# Altium PCB Fri3D_2020_00.PcbDoc (part 1 of 2)
Units mm, origin at the board's own origin, x right, y up, seen from the top; angles counter-clockwise.
Board outline 86 x 86 mm, 2 copper layers (Top Layer, Bottom Layer), stack 1.571 mm thick; 115 components, 82 nets, 498 pads, 254 vias.
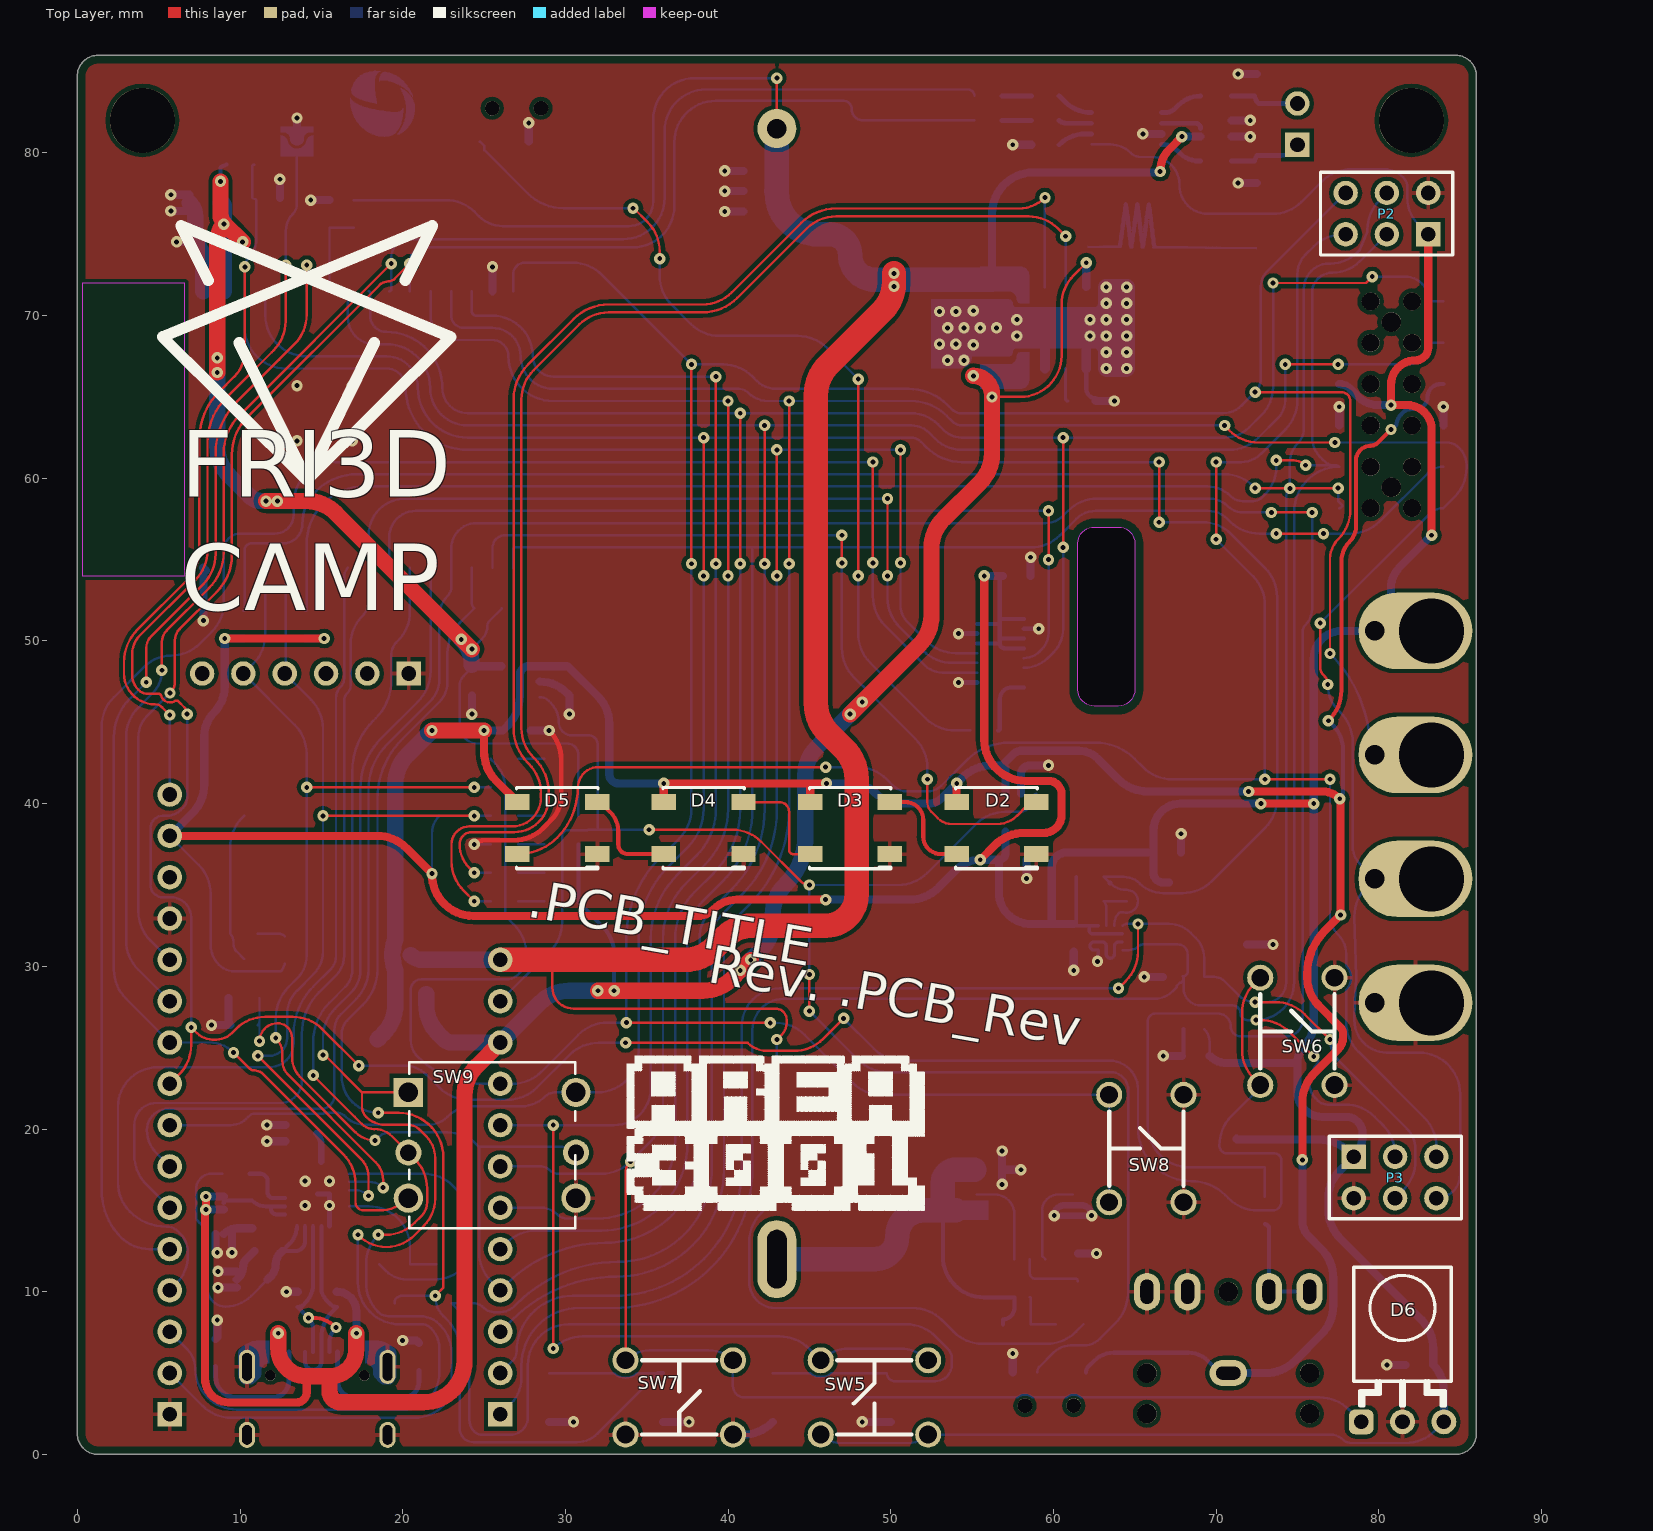
[diagram p0: Top Layer view]
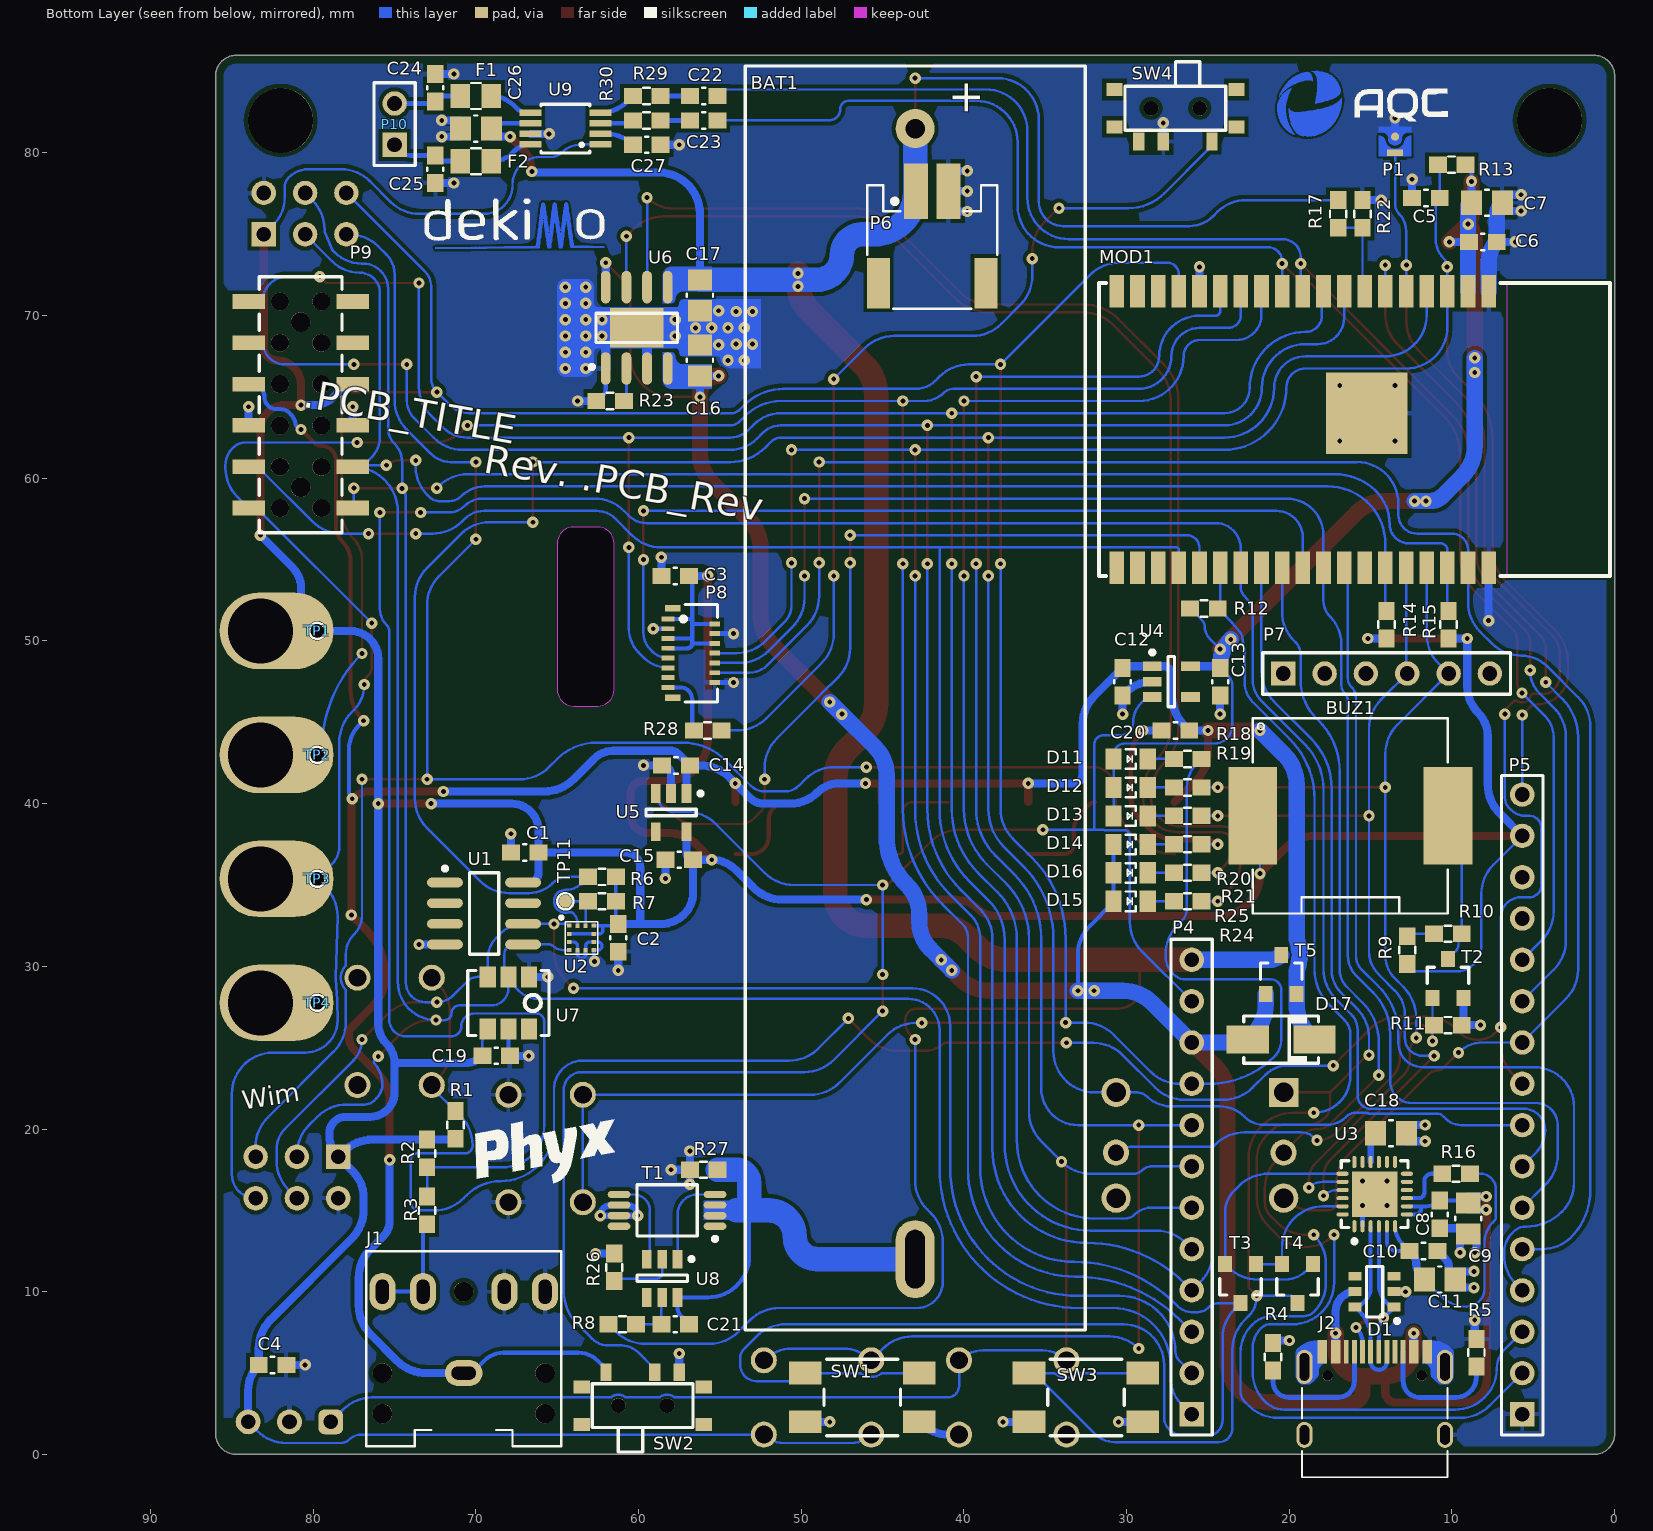
[diagram p1: Bottom Layer view, seen from below]

## Layer stack, top to bottom
Top Solder: solder mask 0.0102, Solder Resist, Dk 3.5
Top Layer: signal copper 0.0356
Dielectric1: core 1.5, FR-4, Dk 4.8
Bottom Layer: signal copper 0.0356
Bottom Solder: solder mask 0.0102, Solder Resist, Dk 3.5

## Board outline
0,1.27 0,84.73 cw(c1.27,84.73) 1.27,86 84.73,86 cw(c84.73,84.73) 86,84.73 86,1.27 cw(c84.73,1.27) 84.73,0 1.27,0 cw(c1.27,1.27)
cut-out: 64,57 cw(c64,56) 65,56 65,47 cw(c64,47) 64,46 62.5,46 cw(c62.5,47) 61.5,47 61.5,56 cw(c62.5,56) 62.5,57

## Design rules (kind name [scope] priority, off if disabled: settings)
BoardOutlineClearance [NOT OnLayer('Top Overlay') AND NOT OnLayer('Bottom Overlay') AND NOT IsText AND NOT WithinRoom('Fri3d_2020_Time_Blaster_00')] p1: gap=0.5 ignorepadtopadclearanceinfootprint=FALSE except(0: Arc-SplitContinuation Track-SplitContinuation SMDPad-SplitContinuation THPad-SplitContinuation Via-SplitContinuation Fill-SplitContinuation Poly-SplitContinuation Region-SplitContinuation Text-SplitContinuation; 0.3: SMDPad-OutlineEdge; 0.4: THPad-OutlineEdge)
Clearance [All] p1: gap=0.15 ignorepadtopadclearanceinfootprint=FALSE except(0: Arc-Hole Track-Hole SMDPad-Hole THPad-Hole Via-Hole Fill-Hole Poly-Hole Region-Hole Text-Hole; 0.25: Arc-Poly Track-Poly SMDPad-Poly THPad-Poly Via-Poly Fill-Poly; 1.1: Poly-Poly)
ComponentClearance ComponentClearance_TP [HasFootprint('TP_2x3mm')] p1: gap=0 collisioncheckmode=3 verticalgap=0 showdistances=FALSE
ComponentClearance [All] p2: gap=0.25 collisioncheckmode=3 verticalgap=0.25 showdistances=FALSE
DiffPairsRouting [All] p1: maxlimit=0.254 minlimit=0.2 mostfreqgap=0.2 toplayer_minwidth=0.25 toplayer_maxwidth=0.5 toplayer_prefwidth=0.25 bottomlayer_minwidth=0.25 bottomlayer_maxwidth=0.5 bottomlayer_prefwidth=0.25 maxuncoupledlength=12.7
HoleSize [All] p1: absolutevalues=TRUE maxlimit=10 minlimit=0.025 maxpercent=80.000 minpercent=20.000
PolygonConnect PolygonConnect_VIA [IsVia] p1: connectstyle=Direct reliefconductorwidth=0.254 reliefentries=4 polygonreliefangle="90 Angle" airgapwidth=0.254
PolygonConnect [All] p2: connectstyle=Relief reliefconductorwidth=0.254 reliefentries=4 polygonreliefangle="90 Angle" airgapwidth=0.254
RoutingVias [All] p1: holewidth=0.3 width=0.7 viastyle="Through Hole" minholewidth=0.3 minwidth=0.2 maxholewidth=0.6 maxwidth=1.2
SilkToSolderMaskClearance SilkscreenOverComponentPads [IsPad] p1: minsilkscreentomaskgap=0.254 clearancetoexposedcopper=TRUE
SolderMaskExpansion [All] p1: expansion=0.05 istentingtop=FALSE
Width [All] p1: maxlimit=5 minlimit=0.15 preferedwidth=0.25
26 further rules are at their usual default settings.

## Classes and differential pairs
net class ESP.IO[0..39]: ESP.IO0 ESP.IO1 ESP.IO2 ESP.IO3 ESP.IO4 ESP.IO5 ESP.IO6 ESP.IO7 ESP.IO8 ESP.IO9 ESP.IO10 ESP.IO11 ESP.IO12 ESP.IO13 ESP.IO14 ESP.IO15 ESP.IO16 ESP.IO17 ESP.IO18 ESP.IO19 ESP.IO20 ESP.IO21 ESP.IO22 ESP.IO23 ESP.IO24 ESP.IO25 ESP.IO26 ESP.IO27 ESP.IO28 ESP.IO29 ESP.IO30 ESP.IO31 ESP.IO32 ESP.IO33 ESP.IO34 ESP.IO35 ESP.IO36 ESP.IO37 ESP.IO38 ESP.IO39
net class 90r: USB.D_n USB.D_p
component class Power: BAT1 C12 C13 C14 C15 C16 C17 C21 D15 D16 D17 P6 R8 R23 R24 R25 R26 R27 SW2 T1 T5 U4 U5 U6 U8
component class Peripherals: BUZ1 C1 C2 C3 C4 C19 C20 C22 C23 C24 C25 C26 C27 D2 D3 D4 D5 D6 F1 F2 P8 P10 R6 R7 R9 R10 R11 R28 R29 R30 SW4 SW5 SW6 SW7 SW8 SW9 T2 TP11 U1 U2 U7 U9
component class Fri3D_2020_00: D1 J1 J2 P1 P2 P3 P4 P5 P9 R1 R2 R3 R4 R5 TP1 TP2 TP3 TP4
component class ESP32: C5 C6 C7 C8 C9 C10 C11 C18 D11 D12 D13 D14 MOD1 P7 R12 R13 R14 R15 R16 R17 R18 R19 R20 R21 R22 SW1 SW3 T3 T4 U3
net class POWER: 3V3_AUX 3V3_ESP 3V3_USB GBAT GND VBAT VSYS VUSB
differential pair USB.D: +USB.D_p -USB.D_n

## Components (designator, comment, footprint, x,y, rotation, side; value= is the part's Value field where it differs from the comment)
BAT1 "18650 Battery holder with spring" BAT_18650_SPRING 43,46.5 r90 bottom value=18650_SPRING
BUZ1 "12x12x3mm Piezo Buzzer Transducer 81dB" CUI_CMT-1203-SMT 16.25,39.25 r180 bottom value=CMT-1203-SMT
C1 "" C0603_N 67,37 r0 bottom value="100nF 16V"
C2 "" C0603_N 61.25,31.75 r270 bottom value="100nF 16V"
C3 "" C0603_N 57.75,54 r0 bottom value="100nF 16V"
C4 "" C0603_N 82.5,5.5 r180 bottom value="100nF 16V"
C5 "" C0603_N 11.6,77.229 r0 bottom value="100nF 16V"
C6 "" C0603_N 8.1,74.531 r180 bottom value="100nF 16V"
C7 "CAP_CERAMIC" C0805_N 7.85,76.931 r180 bottom value="10uF 10V"
C8 "" C0603_N 10.75,14.75 r270 bottom value="100nF 16V"
C9 "CAP_CERAMIC" C0805_N 9,14.5 r90 bottom value="10uF 10V"
C10 "" C0603_N 11.75,12.5 r180 bottom value="100nF 16V"
C11 "CAP_CERAMIC" C0805_N 10.75,10.75 r0 bottom value="10uF 10V"
C12 "CAP_CERAMIC" C0603_N 30.25,47.5 r270 bottom value="1uF 16V"
C13 "CAP_CERAMIC" C0603_N 24.25,47.5 r270 bottom value="1uF 16V"
C14 "CAP_CERAMIC" C0603_N 57.7,42.35 r0 bottom value="1uF 16V"
C15 "CAP_CERAMIC" C0603_N 57.5,36.55 r0 bottom value="1uF 16V"
C16 "CAP_CERAMIC" C0805_N 56.227,67.249 r90 bottom value="10uF 10V"
C17 "CAP_CERAMIC" C0805_N 56.227,71.249 r270 bottom value="10uF 10V"
C18 "CAP_CERAMIC" C0805_N 13.75,19.75 r0 bottom value="10uF 10V"
C19 "" C0603_N 68.75,24.5 r180 bottom value="100nF 16V"
C20 "CAP_CERAMIC" C0603_N 27,44.5 r0 bottom value="1uF 16V"
C21 "" C0603_N 57.75,8 r180 bottom value="100nF 16V"
C22 "CAP_CERAMIC" C0603_N 56,83.5 r180 bottom value="100nF 50V"
C23 "CAP_CERAMIC" C0603_N 56,82 r180 bottom value="100nF 50V"
C24 "CAP_CERAMIC" C0603_N 72.5,84 r90 bottom value="1nF 16V"
C25 "CAP_CERAMIC" C0603_N 72.5,79 r270 bottom value="1nF 16V"
C26 "CAP_CERAMIC" C0805_N 70,81.5 r0 bottom value="10uF 10V"
C27 "CAP_CERAMIC" C0603_N 59.5,80.5 r180 bottom value="1uF 50V"
D1 "TVS Diode Dual USB" NXP_SOT457 14.75,10 r0 bottom value=IP4220CZ6
D2 "WS2812 based digital RGB LED 5050 Black package" LED_5050_WS2812B_BLACK 56.5,38.5 r0 top value="WS218B 5050 BL"
D3 "WS2812 based digital RGB LED 5050 Black package" LED_5050_WS2812B_BLACK 47.5,38.5 r0 top value="WS218B 5050 BL"
D4 "WS2812 based digital RGB LED 5050 Black package" LED_5050_WS2812B_BLACK 38.5,38.5 r0 top value="WS218B 5050 BL"
D5 "WS2812 based digital RGB LED 5050 Black package" LED_5050_WS2812B_BLACK 29.5,38.5 r0 top value="WS218B 5050 BL"
D6 "IRM-3638N3F14 Infrared Receiver 38 kHz 45° 2.7-5.5V" VIS_TSOP381x_BENT 81.46,2 r0 top value=IRM-3638N3F14
D11 "Default 0805 Red LED" LED_0805_RD 29.75,42.75 r180 bottom
D12 "Default 0805 Red LED" LED_0805_RD 29.75,41 r180 bottom
D13 "Default 0805 Green LED" LED_0805_GR 29.75,39.25 r180 bottom
D14 "Default 0805 Blue LED" LED_0805_BL 29.75,37.5 r180 bottom
D15 "Default 0805 Green LED" LED_0805_GR 29.75,34 r180 bottom
D16 "Default 0805 Red LED" LED_0805_RD 29.75,35.75 r180 bottom
D17 "MBRA210LT3G" SMA_AC 20.5,25.5 r180 bottom
F1 "FERRITE" L0805 70,83.5 r0 bottom value="2A 0R1"
F2 "FERRITE" L0805 70,79.5 r0 bottom value="2A 0R1"
J1 "3.5mm jack, dual switch, black, 3 contacts" CUI_SJ1-3525NG 70.75,10 r90 bottom value=SJ1-3525NG
J2 "USB 2.0 C Reversible Receptacle Horizontal" HRO_TYPE-C-31-M-12 14.75,3.75 r180 bottom value=TYPE-C-31-M-12
MOD1 "ESP-32 based ESP-WROVER-32" ESP-WROVER-32 16,63 r270 bottom value=ESP-WROVER-32
P1 "Easy to solder connection" SOLDER_SW_V_1MM 13.5,81 r180 bottom value="NO BOM"
P2 "Receptacle 3x2" RCPT2X3 83.04,77.54 r180 top
P3 "Receptacle 3x2" RCPT2X3 78.46,15.75 r0 top
P4 "Header 12" HDR1X12 26,2.46 r90 bottom
P5 "Header 16" HDR1X16 5.68,2.46 r90 bottom
P6 "Header 2.0mm Shrouded 2" WE_620102131822 42.95,77.65 r180 bottom value=620102131822
P7 "Header 6" HDR1X6 20.37,48 r180 bottom
P8 "Bottom contact FPC 0.3mm pitch 15 contacts" FPC_AFE03-S15FMA-1H 56.75,49.25 r270 bottom value=AFE03-S15FMA-1H
P9 "Receptacle 6x2 SMD low profile" WE_610312243021_POST 80.77,64.52 r90 bottom value=610312243021
P10 "Header 2" HDR1X2 75,80.5 r90 bottom
R1 "RESISTOR" R0603_N 71.25,20.25 r90 bottom value=5K1
R2 "RESISTOR" R0603_N 73,18.5 r270 bottom value=5K1
R3 "RESISTOR" R0603_N 73,15 r270 bottom value=1K2
R4 "RESISTOR" R0603_N 21,6 r90 bottom value=5K1
R5 "RESISTOR" R0603_N 8.5,6.25 r90 bottom value=5K1
R6 "RESISTOR" R0603_N 62.25,35.5 r0 bottom value=5K1
R7 "RESISTOR" R0603_N 62.25,34 r0 bottom value=5K1
R8 "RESISTOR" R0603_N 61,8 r180 bottom value=100R
R9 "RESISTOR" R0603_N 12.75,31 r90 bottom value=100R
R10 "RESISTOR" R0603_N 10.25,32 r0 bottom value=100R
R11 "RESISTOR" R0603_N 10.25,26.385 r180 bottom value=5K1
R12 "RESISTOR" R0603_N 25.25,52 r180 bottom value=5K1
R13 "RESISTOR" R0603_N 10.02,79.281 r0 bottom value=5K1
R14 "RESISTOR" R0603_N 14.02,51 r90 bottom value=5K1
R15 "RESISTOR" R0603_N 10.21,51 r90 bottom value=5K1
R16 "RESISTOR" R0603_N 9.75,17.25 r0 bottom value=1K2
R17 "RESISTOR" R0603_N 17,76.25 r270 bottom value=100K
R18 "RESISTOR" R0603_N 26.25,42.75 r180 bottom value=1K2
R19 "RESISTOR" R0603_N 26.25,41 r180 bottom value=1K2
R20 "RESISTOR" R0603_N 26.25,39.25 r180 bottom value=1K2
R21 "RESISTOR" R0603_N 26.25,37.5 r180 bottom value=1K2
R22 "RESISTOR" R0603_N 15.5,76.25 r90 bottom value=100K
R23 "RESISTOR" R0603_N 61.75,64.75 r0 bottom value=1K2
R24 "RESISTOR" R0603_N 26.25,34 r180 bottom value=1K2
R25 "RESISTOR" R0603_N 26.25,35.75 r180 bottom value=1K2
R26 "RESISTOR" R0603_N 61.5,11.5 r90 bottom value=1K2
R27 "" R0603_N 56,17.5 r0 bottom value=0R
R28 "RESISTOR" R0603_N 55.75,44.5 r180 bottom value=100R
R29 "RESISTOR" R0603_N 59.5,83.5 r0 bottom value=10K
R30 "RESISTOR" R0603_N 59.5,82 r0 bottom value=10K
SW1 "SW_TACT" WE_430181038816 46.25,3.5 r180 bottom
SW2 "SW_1P2T" WE_450404015514 59.75,3 r0 bottom
SW3 "SW_TACT" WE_430181038816 32.5,3.5 r180 bottom
SW4 "SW_1P2T" WE_450404015514 27,82.75 r180 bottom
SW5 "Default TH TACT" TACTSW 49,3.5 r90 top
SW6 "Default TH TACT" TACTSW 75,26 r0 top
SW7 "Default TH TACT" TACTSW 37,3.5 r270 top
SW8 "Default TH TACT" TACTSW 65.714,18.802 r0 top
SW9 "5Way Tact switch" TACTSW_5W_K1-1506DN-01 25.5,19 r0 top value=K1-1506DN-01
T1 "Dual N-Ch MOSFET Common Drain" TSSOP_8_65P 58.25,15 r0 bottom value=FS8205A
T2 "0.2A N-Ch MOSFET Vgs 3.2" SOT23-3 10.25,29.25 r180 bottom value=BSS138
T3 "0.2A N-Ch MOSFET Vgs 3.2" SOT23-3 23,10.5 r0 bottom value=BSS138
T4 "0.2A N-Ch MOSFET Vgs 3.2" SOT23-3 19.5,10.5 r0 bottom value=BSS138
T5 "SL2302" SOT23-3 20.5,29.5 r180 bottom
TP1 "TEST_PAD" TP_0.8mm 79.75,50.62 r90 bottom value="NO BOM"
TP2 "TEST_PAD" TP_0.8mm 79.75,43 r90 bottom value="NO BOM"
TP3 "TEST_PAD" TP_0.8mm 79.75,35.38 r90 bottom value="NO BOM"
TP4 "TEST_PAD" TP_0.8mm 79.75,27.76 r90 bottom value="NO BOM"
TP11 "TEST_PAD" TP_0.8mm 64.5,34 r90 bottom value="NO BOM"
U1 "Encryption Authentication with 72b SN, SHA-256, AES-128" SOIC_N_8 69.5,33.25 r180 bottom value=ATECC608A-SSHDA-T
U2 "LIS2DH12" STM_LGA12_2x2 63.5,31.75 r180 bottom
U3 "USB to UART 3.3-5V" QFN_24 14.75,16 r90 bottom value=CP2102N-A01-GQFN24
U4 "3V3 LDO 700mA 50mV" SOT23-5 27.25,47.5 r180 bottom value=XC6210B332MR
U5 "3V3 LDO 700mA 50mV" SOT23-5 58,39.45 r270 bottom value=XC6210B332MR
U6 "Single Cell LiIon charger max 1A" SOIC_N_8_TH 60.115,69.25 r90 bottom value=TP4056
U7 "=Comment" AHT10 68,27.75 r270 bottom
U8 "DW01-P single cell lithium protection" SOT23-6 58.55,10.825 r270 bottom value=DW01-P
U9 "5W Class D mono amplifier inducter-less Differential input MSOP8" MAX_uSOP8 64.5,81.5 r0 bottom value=NS4150B

## Footprints (in the part's own frame and the unit in brackets; to place one, negate y for a bottom-side part, rotate by r counter-clockwise, add the part's x,y. Pads: shape width x height; smd on the part's side, far side on the other; paste and mask are expansions set on the pad)
AHT10 [mm] "AHT10"
  rect 1.27x1 smd: 1(-1.6,1.27) 2(-1.6,0) 3(-1.6,-1.27) 4(1.6,-1.27) 5(1.6,0) 6(1.6,1.27)
  silkscreen extent -2,-2.5 2,2.5, body extent -2,-2.5 2,2.5, height 1.6
BAT_18650_SPRING [mm] "Battery holder for a single 18650 cell with spring"
  round 2.4 hole 1.2: 1(35,0)
  oval 4.8x2.4 hole 1.2 slot 3.6 at 0 deg: 2(-34.5,0)
  silkscreen extent -38.85,-10.45 38.85,10.45, body extent -39.01,-10.4 38.64,10.4, height 21.65
C0603_N [mm] "Low density"
  rect 1.1x1 smd: 1(-0.85,0) 2(0.85,0)
  silkscreen extent -0.1,-0.5 0.1,0.5, body extent -0.8,-0.4 0.8,0.4, height 0.3
C0805_N [mm] "Low density"
  rect 1.3x1.5 smd: 1(-0.95,0) 2(0.95,0)
  silkscreen extent -0.1,-0.8 0.1,0.8, body extent -1,-0.62 1,0.63, height 0.78
CUI_CMT-1203-SMT [mm] "12x12x3mm piezo buzzer"
  rect 3x6 smd: 1(-6,0) 2(6,0)
  silkscreen extent -6,-6 6,6, body extent -6,-6 6,6, height 3.05
CUI_SJ1-3525NG [mm] "CUI SJ1-3525NG Audio Jack 3.5mm"
  round 1.2 hole 1.2 unplated: 0(-7.5,-5) 0(-7.5,5) 0(-5,-5) 0(-5,5) 0(0,0)
  oval 1.6x2.3 hole 0.8 slot 1.5 at 90 deg: 1(-5,0)
  oval 2.3x1.6 hole 0.8 slot 1.5 at 0 deg: 2(0,-5) 3(0,5) 4(0,-2.5) 5(0,2.5)
  silkscreen extent -9.5,-6 2.5,6, body extent -11.55,-6 2.5,6, height 5.54
ESP-WROVER-32 [mm] "ESP-WROVER-32 Module"
  rect 2x0.9 smd: 1(-8.5,8.258) 2(-8.5,6.988) 3(-8.5,5.718) 4(-8.5,4.448) 5(-8.5,3.178) 6(-8.5,1.908) 7(-8.5,0.638) 8(-8.5,-0.632) 9(-8.5,-1.902) 10(-8.5,-3.172) 11(-8.5,-4.442) 12(-8.5,-5.712) 13(-8.5,-6.982) 14(-8.5,-8.252) 15(-8.5,-9.522) 16(-8.5,-10.79) 17(-8.5,-12.06) 18(-8.5,-13.33) 19(-8.5,-14.6) 20(8.5,-14.6) 21(8.5,-13.33) 22(8.5,-12.06) 23(8.5,-10.79) 24(8.5,-9.522) 25(8.5,-8.252) 26(8.5,-6.982) 27(8.5,-5.712) 28(8.5,-4.442) 29(8.5,-3.172) 30(8.5,-1.902) 31(8.5,-0.632) 32(8.5,0.638) 33(8.5,1.908) 34(8.5,3.178) 35(8.5,4.448) 36(8.5,5.718) 37(8.5,6.988) 38(8.5,8.258)
  rect 5x5 smd paste-10: 39(-1,0.76)
  Keep-Out Layer region: -9,15.7 9,15.7 9,9.4 -9,9.4
  silkscreen extent -9,-15.7 9,15.7, body extent -9,-15.7 9,15.7, height 3.6
FPC_AFE03-S15FMA-1H [mm]
  rect 0.3x0.8 smd: 1(-2.1,-1.437) 3(-1.5,-1.437) 5(-0.9,-1.437) 7(-0.3,-1.437) 9(0.3,-1.437) 11(0.9,-1.437) 13(1.5,-1.437) 15(2.1,-1.437)
  rect 0.3x0.65 smd: 2(-1.8,1.438) 4(-1.2,1.438) 6(-0.6,1.438) 8(0,1.438) 10(0.6,1.438) 12(1.2,1.438) 14(1.8,1.438)
  rect 0.4x0.95 smd: MH1(-2.75,-1.162) MH2(2.75,-1.162)
  silkscreen extent -3,-0.53 3,1.6, body extent -3,-1.83 3,1.64, height 1.04
HDR1X2 [mm] "Connector; Header; 2 Position"
  rect 1.5x1.5 hole 0.9: 1(0,0)
  round 1.5 hole 0.9: 2(2.54,0)
  silkscreen extent -1.27,-1.27 3.81,1.27, body extent -1.17,-1.25 3.91,1.25, height 8.2
HDR1X6 [mm] "Connector; Header; 6 Position"
  rect 1.5x1.5 hole 0.9: 1(0,0)
  round 1.5 hole 0.9: 2(2.54,0) 3(5.08,0) 4(7.62,0) 5(10.16,0) 6(12.7,0)
  silkscreen extent -1.27,-1.27 13.97,1.27, body extent -1.27,-1.23 13.97,1.27, height 8.2
HDR1X12 [mm] "Connector; Header; 12 Position"
  rect 1.5x1.5 hole 0.9: 1(0,0)
  round 1.5 hole 0.9: 2(2.54,0) 3(5.08,0) 4(7.62,0) 5(10.16,0) 6(12.7,0) 7(15.24,0) 8(17.78,0) 9(20.32,0) 10(22.86,0) 11(25.4,0) 12(27.94,0)
  silkscreen extent -1.27,-1.27 29.21,1.27, body extent -1.27,-1.27 29.21,1.27, height 8.57
HDR1X16 [mm] "Connector; Header; 16 Position"
  rect 1.5x1.5 hole 0.9: 1(0,0)
  round 1.5 hole 0.9: 2(2.54,0) 3(5.08,0) 4(7.62,0) 5(10.16,0) 6(12.7,0) 7(15.24,0) 8(17.78,0) 9(20.32,0) 10(22.86,0) 11(25.4,0) 12(27.94,0) 13(30.48,0) 14(33.02,0) 15(35.56,0) 16(38.1,0)
  silkscreen extent -1.27,-1.27 39.27,1.27, body extent -1.27,-1.27 39.37,1.27, height 8.57
HRO_TYPE-C-31-M-12 [mm] "USB C Connector"
  round 0.65 hole 0.65 unplated: 0(-2.89,1.102) 0(2.89,1.102)
  rect 0.3x1.45 smd: A1(-3.375,2.548) A4(-2.55,2.548) A5(-1.25,2.548) A6(-0.25,2.548) A7(0.25,2.548) A8(1.25,2.548) A9(2.55,2.548) A12(3.375,2.548) B1(3.075,2.548) B4(2.25,2.548) B5(1.75,2.548) B6(0.75,2.548) B7(-0.75,2.548) B8(-1.75,2.548) B9(-2.25,2.548) B12(-3.075,2.548)
  oval 1x2.1 hole 0.6 slot 1.7 at 90 deg: MH1(-4.32,1.632) MH4(4.32,1.632)
  oval 1x1.6 hole 0.6 slot 1.2 at 90 deg: MH2(-4.32,-2.548) MH3(4.32,-2.548)
  silkscreen extent -4.47,-5.15 4.47,0.35, body extent -4.5,-5.15 4.44,2.75, height 3.26
L0805 [mm]
  rect 1.2x1.5 smd: 1(-0.95,0) 2(0.95,0)
  silkscreen extent -0.3,-0.8 0.3,0.8, body extent -1,-0.6 1,0.6, height 0.95
LED_0805_BL [mm] "0805 LED BLUE"
  rect 1x1.3 smd: 1(-1.05,0) 2(1.05,0)
  silkscreen extent -0.3,-0.6 0.3,0.6, body extent -1.01,-0.62 1.01,0.63, height 1.1
LED_0805_GR [mm] "0805 LED GREEN"
  rect 1x1.3 smd: 1(-1.05,0) 2(1.05,0)
  silkscreen extent -0.3,-0.6 0.3,0.6, body extent -1.01,-0.62 1.01,0.63, height 1.1
LED_0805_RD [mm] "0805 LED RED"
  rect 1x1.3 smd: 1(-1.05,0) 2(1.05,0)
  silkscreen extent -0.3,-0.6 0.3,0.6, body extent -1.01,-0.62 1.01,0.63, height 1.1
LED_5050_WS2812B_BLACK [mm] "5050 RGB LED WS2812B BLACK"
  rect 1.5x1 smd: 1(-2.45,1.6) 2(-2.45,-1.6) 3(2.45,-1.6) 4(2.45,1.6)
  silkscreen extent -2.5,-2.5 2.5,2.5, body extent -2.7,-2.5 2.7,2.5, height 1.6
MAX_uSOP8 [mm]
  rect 1.35x0.4 smd paste-5: 1(-2.15,0.975) 2(-2.15,0.325) 3(-2.15,-0.325) 4(-2.15,-0.975) 5(2.15,-0.975) 6(2.15,-0.325) 7(2.15,0.325) 8(2.15,0.975)
  silkscreen extent -1.5,-1.5 1.5,1.5, body extent -2.51,-1.55 2.52,1.55, height 1.1
NXP_SOT457 [mm] "NXP SOT457 SOT23-6 package"
  rect 0.8x0.55 smd: 1(-1.2,0.95) 2(-1.2,0) 3(-1.2,-0.95) 4(1.2,-0.95) 5(1.2,0) 6(1.2,0.95)
  silkscreen extent -1.5,-1.55 0.5,1.92, body extent -1.18,-1.46 1.2,1.46, height 0.93
QFN_24 [mm] "24 pin QFN 4x4mm body"
  oval 0.75x0.25 smd: 1(-1.975,1.25) 2(-1.975,0.75) 3(-1.975,0.25) 4(-1.975,-0.25) 5(-1.975,-0.75) 6(-1.975,-1.25) 13(1.975,-1.25) 14(1.975,-0.75) 15(1.975,-0.25) 16(1.975,0.25) 17(1.975,0.75) 18(1.975,1.25)
  oval 0.25x0.75 smd: 7(-1.25,-1.975) 8(-0.75,-1.975) 9(-0.25,-1.975) 10(0.25,-1.975) 11(0.75,-1.975) 12(1.25,-1.975) 19(1.25,1.975) 20(0.75,1.975) 21(0.25,1.975) 22(-0.25,1.975) 23(-0.75,1.975) 24(-1.25,1.975)
  rect 2.8x2.8 smd paste-10: 25(0,0)
  silkscreen extent -3.02,-2.05 2.05,2.05, body extent -2,-2 2,2, height 0.95
R0603_N [mm] "Low density"
  rect 1.1x1 smd: 1(-0.85,0) 2(0.85,0)
  silkscreen extent -0.2,-0.5 0.2,0.5, body extent -0.8,-0.41 0.8,0.41, height 0.45
RCPT2X3 [mm] "Connector; Receptable; 6x2 Position"
  rect 1.5x1.5 hole 0.9: 1(0,2.54)
  round 1.5 hole 0.9: 2(0,0) 3(2.54,2.54) 4(2.54,0) 5(5.08,2.54) 6(5.08,0)
  silkscreen extent -1.5,-1.27 6.63,3.81, body extent -1.52,-1.21 6.6,3.75, height 8.51